# KiCad board pandore.kicad_pcb (continued)
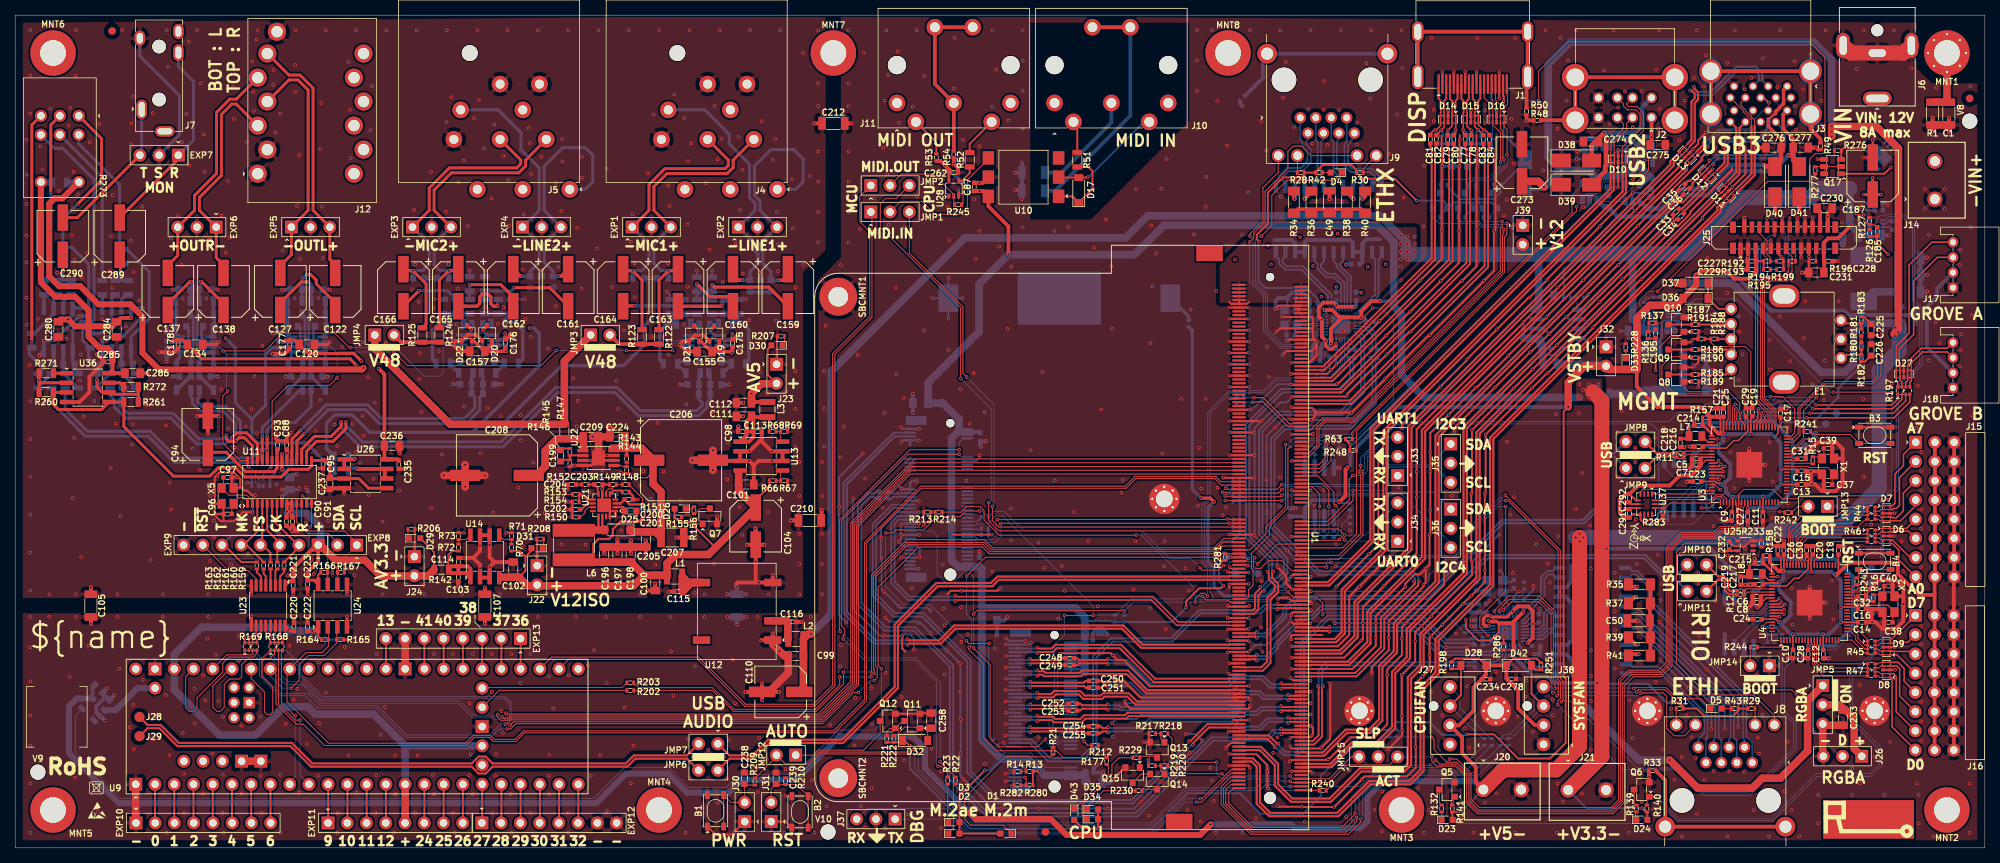
[diagram p0: board, top side]
## Footprints (pads in the part's own frame, mm; a bottom-side part is the same pattern mirrored in y, then rotated) (continued)
NGFF_M.2_CONN#2
  rrect 1.2x1 smd: (-10.35,2.1) (-10.35,3.85) (10.35,2.1) (10.35,3.85)
  rrect 1.2x2.75 smd: (-10.35,2.975) (10.35,2.975)
  round 1.1 hole 1.1 unplated: (-10,-1.525)
  round 1.6 hole 1.6 unplated: (10,-1.525)
  rrect 0.3x1.8 smd: 1(-9.25,3.65) 2(-9,-3.65) 3(-8.75,3.65) 4(-8.5,-3.65) 5(-8.25,3.65) 6(-8,-3.65) 7(-7.75,3.65) 8(-7.5,-3.65) 9(-7.25,3.65) 10(-7,-3.65) 11(-6.75,3.65) 12(-6.5,-3.65) 13(-6.25,3.65) 14(-6,-3.65) 15(-5.75,3.65) 16(-5.5,-3.65) 17(-5.25,3.65) 18(-5,-3.65) 19(-4.75,3.65) 20(-4.5,-3.65) 21(-4.25,3.65) 22(-4,-3.65) 23(-3.75,3.65) 24(-3.5,-3.65) 25(-3.25,3.65) 26(-3,-3.65) 27(-2.75,3.65) 28(-2.5,-3.65) 29(-2.25,3.65) 30(-2,-3.65) 31(-1.75,3.65) 32(-1.5,-3.65) 33(-1.25,3.65) 34(-1,-3.65) 35(-0.75,3.65) 36(-0.5,-3.65) 37(-0.25,3.65) 38(0,-3.65) 39(0.25,3.65) 40(0.5,-3.65) 41(0.75,3.65) 42(1,-3.65) 43(1.25,3.65) 44(1.5,-3.65) 45(1.75,3.65) 46(2,-3.65) 47(2.25,3.65) 48(2.5,-3.65) 49(2.75,3.65) 50(3,-3.65) 51(3.25,3.65) 52(3.5,-3.65) 53(3.75,3.65) 54(4,-3.65) 55(4.25,3.65) 56(4.5,-3.65) 57(4.75,3.65) 58(5,-3.65) 67(7.25,3.65) 68(7.5,-3.65) 69(7.75,3.65) 70(8,-3.65) 71(8.25,3.65) 72(8.5,-3.65) 73(8.75,3.65) 74(9,-3.65) 75(9.25,3.65)
OSCCC320X250X90
  rrect 1.1x1.3 smd: 1(-0.8,1.05) 2(-0.8,-1.05) 3(0.8,-1.05) 4(0.8,1.05)
QFN40P400X400-33
  rrect 1x1 smd: (-0.725,-0.725) (-0.725,0.725) (0.725,-0.725) (0.725,0.725)
  rrect 0.5x0.2 smd: 1(-1.9,1.4) 2(-1.9,1) 3(-1.9,0.6) 4(-1.9,0.2) 5(-1.9,-0.2) 6(-1.9,-0.6) 7(-1.9,-1) 8(-1.9,-1.4) 17(1.9,-1.4) 18(1.9,-1) 19(1.9,-0.6) 20(1.9,-0.2) 21(1.9,0.2) 22(1.9,0.6) 23(1.9,1) 24(1.9,1.4)
  rrect 0.2x0.5 smd: 9(-1.4,-1.9) 10(-1,-1.9) 11(-0.6,-1.9) 12(-0.2,-1.9) 13(0.2,-1.9) 14(0.6,-1.9) 15(1,-1.9) 16(1.4,-1.9) 25(1.4,1.9) 26(1,1.9) 27(0.6,1.9) 28(0.2,1.9) 29(-0.2,1.9) 30(-0.6,1.9) 31(-1,1.9) 32(-1.4,1.9)
  rrect 2.5x2.5 smd: 33(0,0)
QFN40P1000X1000-81
  rrect 0.91x0.91 smd: (-1.21,1.21) (-1.21,0) (-1.21,-1.21) (0,1.21) (0,0) (0,-1.21) (1.21,1.21) (1.21,0) (1.21,-1.21)
  rrect 0.8x0.2 smd: 1(-4.95,3.8) 2(-4.95,3.4) 3(-4.95,3) 4(-4.95,2.6) 5(-4.95,2.2) 6(-4.95,1.8) 7(-4.95,1.4) 8(-4.95,1) 9(-4.95,0.6) 10(-4.95,0.2) 11(-4.95,-0.2) 12(-4.95,-0.6) 13(-4.95,-1) 14(-4.95,-1.4) 15(-4.95,-1.8) 16(-4.95,-2.2) 17(-4.95,-2.6) 18(-4.95,-3) 19(-4.95,-3.4) 20(-4.95,-3.8) 41(4.95,-3.8) 42(4.95,-3.4) 43(4.95,-3) 44(4.95,-2.6) 45(4.95,-2.2) 46(4.95,-1.8) 47(4.95,-1.4) 48(4.95,-1) 49(4.95,-0.6) 50(4.95,-0.2) 51(4.95,0.2) 52(4.95,0.6) 53(4.95,1) 54(4.95,1.4) 55(4.95,1.8) 56(4.95,2.2) 57(4.95,2.6) 58(4.95,3) 59(4.95,3.4) 60(4.95,3.8)
  rrect 0.2x0.8 smd: 21(-3.8,-4.95) 22(-3.4,-4.95) 23(-3,-4.95) 24(-2.6,-4.95) 25(-2.2,-4.95) 26(-1.8,-4.95) 27(-1.4,-4.95) 28(-1,-4.95) 29(-0.6,-4.95) 30(-0.2,-4.95) 31(0.2,-4.95) 32(0.6,-4.95) 33(1,-4.95) 34(1.4,-4.95) 35(1.8,-4.95) 36(2.2,-4.95) 37(2.6,-4.95) 38(3,-4.95) 39(3.4,-4.95) 40(3.8,-4.95) 61(3.8,4.95) 62(3.4,4.95) 63(3,4.95) 64(2.6,4.95) 65(2.2,4.95) 66(1.8,4.95) 67(1.4,4.95) 68(1,4.95) 69(0.6,4.95) 70(0.2,4.95) 71(-0.2,4.95) 72(-0.6,4.95) 73(-1,4.95) 74(-1.4,4.95) 75(-1.8,4.95) 76(-2.2,4.95) 77(-2.6,4.95) 78(-3,4.95) 79(-3.4,4.95) 80(-3.8,4.95)
  rrect 3.4x3.4 smd: 81(0,0)
QFN50P250X300-14
  rrect 0.75x0.25 smd: 1(-1.35,0.75) 2(-1.35,0.25) 3(-1.35,-0.25) 4(-1.35,-0.75) 8(1.35,-0.75) 9(1.35,-0.25) 10(1.35,0.25) 11(1.35,0.75)
  rrect 0.25x0.75 smd: 5(-0.5,-1.1) 6(0,-1.1) 7(0.5,-1.1) 12(0.5,1.1) 13(0,1.1) 14(-0.5,1.1)
QFN50P300X300-17
  rrect 0.73x0.73 smd: (-0.5,0.5) (-0.5,-0.5) (0.5,0.5) (0.5,-0.5)
  rrect 0.75x0.3 smd: 1(-1.475,0.75) 2(-1.475,0.25) 3(-1.475,-0.25) 4(-1.475,-0.75) 9(1.475,-0.75) 10(1.475,-0.25) 11(1.475,0.25) 12(1.475,0.75)
  rrect 0.3x0.75 smd: 5(-0.75,-1.475) 6(-0.25,-1.475) 7(0.25,-1.475) 8(0.75,-1.475) 13(0.75,1.475) 14(0.25,1.475) 15(-0.25,1.475) 16(-0.75,1.475)
  rrect 1.8x1.8 smd: 17(0,0)
RESC1005
  rrect 0.4x0.6 smd: 1(-0.45,0) 2(0.45,0)
RESC2012
  rrect 0.7x1.3 smd: 1(-0.95,0) 2(0.95,0)
RESC3216
  rrect 1x1.7 smd: 1(-1.5,0) 2(1.5,0)
RESCAXSR50P200X100X35-8
  rrect 0.5x0.4 smd: 1(-0.5,0.8) 4(-0.5,-0.8) 5(0.5,-0.8) 8(0.5,0.8)
  rrect 0.5x0.3 smd: 2(-0.5,0.25) 3(-0.5,-0.25) 6(0.5,-0.25) 7(0.5,0.25)
RESCAXSR65P100X100X35-4
  rrect 0.5x0.4 smd: 1(-0.45,0.3) 2(-0.45,-0.3) 3(0.45,-0.3) 4(0.45,0.3)
RESMELF0204
  rrect 1.2x1.6 smd: 1(-1.45,0) 2(1.45,0)
samesky_CPG-23
  round 1.35 smd: 1(0,0)
samesky_PJ-063BH
  round 1.6 hole 1.6 unplated: (0,0)
  oval 3.8x1.8 hole 3x1: 1(0,-9)
  oval 3.2x1.8 hole 2.3x1: 2(0,-3)
  oval 1.8x3.3 hole 1x2.5: S(-4.5,-2) S(4.5,-2)
samesky_SDS-50J
  round 2.4 hole 2.4 unplated: (0.4,7.5) (0.4,-7.5)
  round 2.2 hole 1.3: 1(-4.6,7.5) 2(-4.6,0) 3(-4.6,-7.5) 4(-7.1,5) 5(-7.1,-5) G(5.4,2.5) G(5.4,-2.5)
samesky_SJ3-3508x
  round 1.8 hole 1.8 unplated: (0,3.85) (0,-3.15)
  oval 1.4x2.2 hole 0.8x1.6: R(2.55,3.05)
  oval 1.4x2 hole 0.8x1.4: RS(2.55,5.85) S(-2.55,4.95)
  oval 1.4x2.6 hole 0.8x2: T(-2.3,-4.45)
  oval 2.6x1.4 hole 2x0.8: TS(0.75,-7.35)
sod-123
  rrect 0.9x1.2 smd: 1(-1.65,0) 2(1.65,0)
SOIC127P600X150-8
  rrect 1.8x0.6 smd: 1(-2.8,1.905) 2(-2.8,0.635) 3(-2.8,-0.635) 4(-2.8,-1.905) 5(2.8,-1.905) 6(2.8,-0.635) 7(2.8,0.635) 8(2.8,1.905)
SOIC127PxxxX200-8
  rrect 2.2x0.6 smd: 1(-3.3,1.9) 2(-3.3,0.635) 3(-3.3,-0.64) 4(-3.3,-1.91) 5(3.3,-1.905) 6(3.3,-0.635) 7(3.3,0.635) 8(3.3,1.905)
SOIC254P1030X430-6
  rrect 1.52x1.78 smd: 1(-4.635,2.54) 2(-4.635,0) 3(-4.635,-2.54) 4(4.635,-2.54) 5(4.635,0) 6(4.635,2.54)
SOP65P490X300-8
  rrect 1.5x0.45 smd: 1(-2.06,0.975) 2(-2.06,0.325) 3(-2.06,-0.325) 4(-2.06,-0.975) 5(2.05,-0.98) 6(2.05,-0.32) 7(2.05,0.33) 8(2.05,0.98)
SOP65P490X300-9
  rrect 0.65x0.8 smd: (-0.525,0.6) (-0.525,-0.6) (0.525,0.6) (0.525,-0.6)
  rrect 1.5x0.45 smd: 1(-2.06,0.975) 2(-2.06,0.325) 3(-2.06,-0.325) 4(-2.06,-0.975) 5(2.05,-0.98) 6(2.05,-0.32) 7(2.05,0.33) 8(2.05,0.98)
  rrect 1.7x2 smd: 9(0,0)
SOP65P640X970-28
  rrect 1.1x0.4 smd: 1(-2.85,4.225) 2(-2.85,3.575) 3(-2.85,2.925) 4(-2.85,2.275) 5(-2.85,1.625) 6(-2.85,0.975) 7(-2.85,0.325) 8(-2.85,-0.325) 9(-2.85,-0.975) 10(-2.85,-1.625) 11(-2.85,-2.275) 12(-2.85,-2.925) 13(-2.85,-3.575) 14(-2.85,-4.225) 15(2.85,-4.225) 16(2.85,-3.575) 17(2.85,-2.925) 18(2.85,-2.275) 19(2.85,-1.625) 20(2.85,-0.975) 21(2.85,-0.325) 22(2.85,0.325) 23(2.85,0.975) 24(2.85,1.625) 25(2.85,2.275) 26(2.85,2.925) 27(2.85,3.575) 28(2.85,4.225)
SOP635P600X490-16
  rrect 1.6x0.41 smd: 1(-2.654,2.223) 2(-2.654,1.587) 3(-2.654,0.953) 4(-2.654,0.318) 5(-2.654,-0.318) 6(-2.654,-0.953) 7(-2.654,-1.587) 8(-2.654,-2.223) 9(2.654,-2.223) 10(2.654,-1.587) 11(2.654,-0.953) 12(2.654,-0.318) 13(2.654,0.318) 14(2.654,0.953) 15(2.654,1.587) 16(2.654,2.223)
SOT65P210X90-3
  rrect 0.7x0.45 smd: 1(-1,0.65) 2(-1,-0.65) 3(1,0)
SOT65P210X90-5
  rrect 0.7x0.4 smd: 1(-1,0.65) 2(-1,0) 3(-1,-0.65) 4(1,-0.65) 5(1,0.65)
SOT95P280X100-3
  rrect 0.9x0.8 smd: 1(-1,0.95) 2(-1,-0.95) 3(1,0)
SOT95P280X100-5
  rrect 1.06x0.65 smd: 1(-1.1,0.95) 2(-1.1,0) 3(-1.1,-0.95) 4(1.1,-0.95) 5(1.1,0.95)
SOT95P280X100-6
  rrect 1.06x0.65 smd: 1(-1.1,0.95) 2(-1.1,0) 3(-1.1,-0.95) 4(1.1,-0.95) 5(1.1,0) 6(1.1,0.95)
spacer_M2
  round 5 hole 2.6: 1(0,0)
spacer_M2#2
  round 5 hole 2.6 unplated: (0,0)
tact_460X320X250
  rrect 1.05x0.65 smd: 1(-2.075,1.075) 2(2.075,1.075) 3(-2.075,-1.075) 4(2.075,-1.075)
te_1747981-1
  oval 3.3x1.5 hole 2.7x0.9: 0(-3.95,7.25) 0(-3.95,-7.25)
  oval 2.7x1.5 hole 2.1x0.9: 0(2.01,7.25) 0(2.01,-7.25)
  rrect 2.6x0.3 smd: 1(-4.9,4.5) 2(-4.9,4) 3(-4.9,3.5) 4(-4.9,3) 5(-4.9,2.5) 6(-4.9,2) 7(-4.9,1.5) 8(-4.9,1) 9(-4.9,0.5) 10(-4.9,0) 11(-4.9,-0.5) 12(-4.9,-1) 13(-4.9,-1.5) 14(-4.9,-2) 15(-4.9,-2.5) 16(-4.9,-3) 17(-4.9,-3.5) 18(-4.9,-4) 19(-4.9,-4.5)
te_2041145-4
  round 1.4 hole 0.8: 1(-3.03,3) 2(-3.03,1) 3(-3.03,-1) 4(-3.03,-3)
teensy_4.1
  rrect 1.7x1.7 hole 1: 1(-29.21,-7.62)
  round 1.7 hole 1: 2(-26.67,-7.62) 3(-24.13,-7.62) 4(-21.59,-7.62) 5(-19.05,-7.62) 6(-16.51,-7.62) 7(-13.97,-7.62) 8(-11.43,-7.62) 9(-8.89,-7.62) 10(-6.35,-7.62) 11(-3.81,-7.62) 12(-1.27,-7.62) 13(1.27,-7.62) 14(3.81,-7.62) 15(6.35,-7.62) 16(8.89,-7.62) 17(11.43,-7.62) 18(13.97,-7.62) 19(16.51,-7.62) 20(19.05,-7.62) 21(21.59,-7.62) 22(24.13,-7.62) 23(26.67,-7.62) 24(29.21,-7.62) 25(29.21,7.62) 26(26.67,7.62) 27(24.13,7.62) 28(21.59,7.62) 29(19.05,7.62) 30(16.51,7.62) 31(13.97,7.62) 32(11.43,7.62) 33(8.89,7.62) 35(3.81,7.62) 36(1.27,7.62) 37(-1.27,7.62) 38(-3.81,7.62) 39(-6.35,7.62) 40(-8.89,7.62) 41(-11.43,7.62) 42(-13.97,7.62) 43(-16.51,7.62) 44(-19.05,7.62) 45(-21.59,7.62) 46(-24.13,7.62) 48(-29.21,7.62) 49(16.51,-5.08) 50(16.51,-2.54) 52(16.51,2.54) 53(16.51,5.08) 54(-22.86,-4.57) 55(-20.32,-4.57) 56(-17.78,-4.57) 59(-26.67,5.08)
  rect 1.7x1.7 hole 1: 34(6.35,7.62) 47(-26.67,7.62) 51(16.51,0) 57(-15.24,-4.57) 58(-12.7,-4.57)
  round 1.5 hole 0.9: 60(-16.24,5.17) 61(-14.24,5.17) 62(-16.24,3.17) 64(-16.24,1.17) 65(-14.24,1.17)
  rect 1.5x1.5 hole 0.9: 63(-14.24,3.17)
tp_solder
  round 1 smd: 1(0,0)
USB2_A_RCPT_HORZ_2STACKED
  round 1.4 hole 0.92: 1(-3.5,5.33) 2(-1,5.33) 3(1,5.33) 4(3.5,5.33) 5(-3.5,2.71) 6(-1,2.71) 7(1,2.71) 8(3.5,2.71)
  round 3.5 hole 2.3: 9(-6.57,5.68) 9(-6.57,0) 9(6.57,5.68) 9(6.57,0)
USB3_A_RCPT_HORZ_2STACKED
  round 1.1 hole 0.7: 1(-3.5,2) 2(-1,2) 3(1,2) 4(3.5,2) 5(4,3.5) 6(2,3.5) 7(0,3.5) 8(-2,3.5) 9(-4,3.5) 10(-3.5,5.2) 11(-1,5.2) 12(1,5.2) 13(3.5,5.2) 14(4,6.7) 15(2,6.7) 16(0,6.7) 17(-2,6.7) 18(-4,6.7)
  round 3 hole 2.3: 19(-6.575,5.675) 19(-6.575,0) 19(6.575,5.675) 19(6.575,0)
WE_749020111A
  rect 1.6x0.559 smd: 1(-4.318,6.985) 2(-4.318,5.715) 3(-4.318,4.445) 4(-4.318,3.175) 5(-4.318,1.905) 6(-4.318,0.635) 7(-4.318,-0.635) 8(-4.318,-1.905) 9(-4.318,-3.175) 10(-4.318,-4.445) 11(-4.318,-5.715) 12(-4.318,-6.985) 13(4.318,-6.985) 14(4.318,-5.715) 15(4.318,-4.445) 16(4.318,-3.175) 17(4.445,-1.905) 18(4.445,-0.635) 19(4.445,0.635) 20(4.445,1.905) 21(4.445,3.175) 22(4.445,4.445) 23(4.445,5.715) 24(4.445,6.985)
WE_IND5030
  rrect 1.7x1.5 smd: (-1.95,2.05) (-1.95,0) (-1.95,-2.05) (1.95,2.05) (1.95,0) (1.95,-2.05)
  rrect 1.7x5.6 smd: 1(-1.95,0) 2(1.95,0)
Wurth_691137710002
  round 2 hole 1.3: 1(-2.5,0) 2(2.5,0)

## Nets
AV3P3: C90.2 C91.2 C92.2 C221.2 C223.2 D29.A EXP9.1 J24.2 R64.1 R142.2 R166.1 R167.1 U11.9 U11.10 U23.1 U24.8
AV5: C88.2 C89.2 C112.2 C119.2 C120.2 C133.2 C134.2 C140.2 C155.2 C156.2 C157.2 C175.2 C176.2 C177.2 C178.2 C235.2 C236.2 D19.2 D20.2 D21.2 D22.2 D30.A J23.2 L3.2 R106.1 R108.1 R273.7 R275.2 U11.20 U15.3 U16.3 U17.3 U18.3 U26.8
AVSS: C88.1 C89.1 C90.1 C91.1 C92.1 C93.1 C94.2 C95.1 C96.1 C97.1 C98.1 C100.1 C101.1 C102.1 C103.1 C104.2 C105.1 C106.1 C107.1 C108.1 C109.1 C111.1 C112.1 C113.1 C114.1 C115.1 C117.1 C118.2 C119.1 C120.1 C121.1 C125.1 C126.2 C128.2 C129.1 C130.1 C133.1 C134.1 C135.2 C136.1 C139.2 C140.1 C141.1 C144.2 C145.1 C146.2 C147.1 C148.1 C151.2 C152.1 C155.1 C156.1 C157.1 C158.1 C169.1 C171.1 C175.1 C176.1 C177.1 C178.1 C196.1 C197.1 C198.1 C200.1 C201.1 C202.1 C203.1 C204.1 C205.1 C206.2 C207.1 C208.2 C209.1 C210.1 C211.1 C212.1 C213.1 C221.1 C223.1 C224.1 C235.1 C236.1 C237.1 C279.1 C280.1 C283.1 C284.1 C285.1 C286.1 D19.1 D20.1 D21.1 D22.1 EXP1.2 EXP2.2 EXP3.2 EXP4.2 EXP5.2 EXP6.2 EXP7.2 EXP9.8 J4.1 J4.G J4.S J5.1 J5.G J5.S J7.S J12.G J12.TB J12.TT J22.1 J23.1 J24.1 Q7.2 R65.2 R67.2 R69.2 R71.2 R73.2 R107.2 R109.2 R114.1 R115.1 R116.1 R117.1 R118.1 R119.1 R120.1 R121.1 R144.2 R146.2 R149.2 R150.2 R151.2 R154.2 R206.1 R207.1 R208.1 U11.8 U11.21 U12.7 U13.2 U13.3 U13.6 U13.7 U14.2 U14.3 U14.6 U14.7 U15.6 U16.6 U17.6 U18.6 U21.1 U21.7 U21.16 U21.17 U22.3 U22.4 U22.6 U22.7 U22.9 U23.8 U24.5 U26.4 U34.4 U35.4 U36.4 X5.2 X5.4
V3P3: C4.2 C6.2 C8.2 C10.2 C12.2 C14.2 C16.2 C18.2 C20.2 C22.2 C24.2 C26.2 C67.2 C68.2 C69.2 C70.2 C71.2 C72.2 C87.2 C217.2 C240.2 C241.2 C242.2 C243.2 C244.2 C245.2 C246.2 C247.2 C262.2 D1.A D2.A D3.A D24.A J13.2 J13.4 J13.12 J13.14 J13.16 J13.18 J13.70 J13.72 J13.74 J15.2 J15.5 J15.8 J15.11 J15.14 J15.17 J15.20 J15.23 J16.2 J16.5 J16.8 J16.11 J16.14 J16.17 J16.20 J16.23 J19.2 J19.4 J19.72 J19.74 J21.1 Q2.1 Q3.1 Q4.1 R13.1 R17.1 R18.1 R19.2 R20.2 R28.1 R29.1 R30.1 R31.1 R42.2 R43.2 R53.2 R57.1 R59.1 R61.1 R63.2 R138.2 R140.1 R158.2 R172.1 R173.1 R174.1 R175.1 R178.1 R179.1 R215.1 R216.1 R232.2 R248.1 R280.1 R281.2 U4.5 U4.15 U4.24 U4.29 U4.41 U4.50 U4.59 U4.60 U4.64 U4.68 U4.69 U4.76 U6.8 U7.11 U7.23 U7.32 U8.11 U8.23 U8.32 U10.6 U28.5
V3P3AUD: C220.2 C222.2 EXP11.5 R164.1 R165.1 U9.15 U9.46 U9.50 U23.16 U24.1
V5: C232.2 C234.2 C264.2 C265.2 C267.2 C269.2 C271.2 C273.1 C278.2 D18.2 D23.A D28.1 D37.2 D42.1 J20.1 J27.2 J38.2 JMP5.1 R131.2 R141.1 R198.1 R251.1 U25.5 U29.5 U30.5 U31.5 U32.5 U33.5
V12: C99.2 C110.1 C186.2 C187.1 C188.2 C228.2 C231.2 C259.2 J25.23 J39.2 L2.1 Q16.1 Q16.2 Q16.3 Q17.4 R129.1 R133.1 R223.1 U1.250 U1.251 U1.252 U1.253 U1.254 U1.255 U1.256 U1.257 U1.258 U1.259 U1.260 U19.1 U20.1 U27.4
V12ISO: C100.2 C101.2 C102.2 C104.1 C196.2 C197.2 C198.2 C200.2 D26.A D31.A J22.2 L1.2 L6.1 R66.1 R70.1 R148.1 R155.1 U13.4 U14.4 U21.3
V50: C205.2 C206.1 C207.2 C224.2 D25.1 R143.1 R153.1 U22.8
VSS: B1.1 B1.2 B2.1 B2.2 B3.1 B3.2 B4.1 B4.2 BAT1.2 C1.1 C2.1 C3.1 C4.1 C5.1 C6.1 C7.1 C8.1 C9.1 C10.1 C11.1 C12.1 C13.1 C14.1 C15.1 C16.1 C17.1 C18.1 C19.1 C20.1 C21.1 C22.1 C23.1 C24.1 C25.1 C26.1 C27.1 C28.1 C29.1 C30.1 C31.1 C32.1 C37.1 C38.1 C39.1 C40.1 C49.1 C50.1 C51.1 C52.1 C53.1 C54.1 C55.1 C56.1 C57.1 C58.1 C59.1 C60.1 C61.1 C62.1 C63.1 C64.1 C65.1 C66.1 C67.1 C68.1 C69.1 C70.1 C71.1 C72.1 C73.1 C74.1 C75.1 C76.1 C85.2 C86.2 C87.1 C99.1 C105.2 C106.2 C107.2 C108.2 C109.2 C110.2 C116.1 C180.1 C181.1 C182.1 C183.1 C184.1 C186.1 C187.2 C188.1 C190.1 C191.1 C192.1 C193.1 C194.1 C210.2 C211.2 C212.2 C213.2 C214.1 C215.1 C216.1 C217.1 C218.1 C219.1 C220.1 C222.1 C225.2 C226.2 C227.1 C228.1 C229.1 C230.1 C231.1 C232.1 C233.1 C234.1 C238.1 C239.1 C240.1 C241.1 C242.1 C243.1 C244.1 C245.1 C246.1 C247.1 C258.1 C259.1 C260.1 C261.1 C262.1 C263.1 C264.1 C265.1 C266.1 C267.1 C268.1 C269.1 C270.1 C271.1 C272.1 C273.2 C274.1 C275.1 C276.1 C277.1 C278.1 C291.1 C292.1 D6.3 D7.3 D8.3 D9.3 D10.3 D11.3 D12.3 D13.3 D14.3 D15.3 D16.3 D27.3 D38.1 D39.1 D40.1 D41.1 E1.C EXP10.1 EXP12.7 EXP12.8 EXP13.7 J1.2 J1.5 J1.8 J1.11 J1.17 J2.4 J2.8 J3.4 J3.7 J3.13 J3.16 J6.2 J6.S J13.1 J13.3 J13.9 J13.15 J13.21 J13.27 J13.32 J13.33 J13.38 J13.39 J13.45 J13.51 J13.57 J13.71 J13.75 J14.1 J15.3 J15.6 J15.9 J15.12 J15.15 J15.18 J15.21 J15.24 J16.3 J16.6 J16.9 J16.12 J16.15 J16.18 J16.21 J16.24 J17.4 J18.4 J19.1 J19.7 J19.18 J19.33 J19.39 J19.45 J19.51 J19.57 J19.63 J19.69 J19.75 J20.2 J21.2 J25.1 J25.2 J25.3 J25.11 J25.12 J25.16 J25.17 J25.18 J25.19 J25.20 J25.24 J26.3 J27.1 J30.1 J31.1 J32.1 J33.2 J34.2 J35.2 J36.2 J37.2 J38.1 J39.1 JMP5.3 JMP13.1 JMP14.1 M2AE30.1 M2M42.1 M2M60.1 M2M80.1 M2M110.1 Q1.2 Q5.2 Q6.2 Q8.2 Q9.2 Q10.2 Q11.2 Q12.2 Q13.2 Q15.2 R1.2 R10.2 R14.2 R26.1 R27.1 R32.1 R33.1 R48.1 R49.1 R50.1 R54.1 R127.2 R130.2 R134.2 R137.2 R184.2 R189.2 R190.2 R191.2 R194.1 R195.1 R196.1 R211.2 R212.2 R213.2 R217.2 R219.2 R224.2 R226.2 R228.1 R233.2 R247.2 R276.2 R277.2 R282.1 R285.2 R286.2 SBCMNT1.1 TP7.1 TP8.1 U1.11 U1.14 U1.17 U1.20 U1.23 U1.26 U1.29 U1.32 U1.35 U1.38 U1.41 U1.44 U1.47 U1.50 U1.53 U1.56 U1.59 U1.62 U1.65 U1.68 U1.71 U1.74 U1.77 U1.80 U1.83 U1.86 U1.89 U1.92 U1.95 U1.98 U1.101 U1.107 U1.110 U1.113 U1.116 U1.135 U1.136 U1.151 U1.158 U1.167 U1.170 U1.181 U1.182 U1.188 U1.189 U1.194 U1.195 U1.200 U1.201 U1.206 U1.207 U1.212 U1.213 U1.218 U1.219 U1.224 U1.225 U1.230 U1.231 U1.236 U1.237 U1.242 U1.243 U1.248 U1.249 U2.4 U3.62 U3.81 U4.62 U4.81 U5.4 U6.4 U7.33 U8.33 U9.1 U9.34 U9.47 U9.51 U9.57 U9.58 U9.63 U10.5 U12.1 U19.8 U20.8 U23.9 U24.4 U25.3 U27.2 U27.3 U27.6 U27.7 U28.3 U29.2 U30.2 U31.2 U32.2 U33.2 U37.6 U37.7 X1.2 X1.4 X2.2 X2.4 X3.2 X3.4 X4.2 X4.4
/Audio/_USB.D+: J29.1 JMP6.2
/Audio/_USB.D-: J28.1 JMP7.2
/Audio/Audio inputs/_LINE1IN.SIG+: C159.1 C172.2 EXP2.3 J4.T
/Audio/Audio inputs/_LINE1IN.SIG-: C160.1 C170.2 EXP2.1 J4.R
/Audio/Audio inputs/_LINE2IN.SIG+: C161.1 C168.2 EXP4.3 J5.T
/Audio/Audio inputs/_LINE2IN.SIG-: C162.1 C167.2 EXP4.1 J5.R
/Audio/Audio inputs/_MIC1IN.SIG+: C139.1 C163.1 EXP1.3 J4.2 R122.1
/Audio/Audio inputs/_MIC1IN.SIG-: C158.2 C164.1 EXP1.1 J4.3 R123.1
/Audio/Audio inputs/_MIC2IN.SIG+: C146.1 C165.1 EXP3.3 J5.2 R124.1
/Audio/Audio inputs/_MIC2IN.SIG-: C147.2 C166.1 EXP3.1 J5.3 R125.1
/Audio/Audio inputs/IN buffer 1/INBUF.FB+: R82.2 R94.1 R96.1 R110.2 R118.2
/Audio/Audio inputs/IN buffer 1/INBUF.FB-: R83.2 R95.1 R97.1 R111.2 R120.2
/Audio/Audio inputs/IN buffer 1/INBUF.IN+: C142.2 C173.2 D19.3 R94.2 U17.1
/Audio/Audio inputs/IN buffer 1/INBUF.IN-: C143.2 C173.1 D21.3 R95.2 U17.8
/Audio/Audio inputs/IN buffer 1/INBUF.OUT+: C142.1 R96.2 R98.1 U17.4
/Audio/Audio inputs/IN buffer 1/INBUF.OUT-: C143.1 R97.2 R99.1 U17.5
/Audio/Audio inputs/IN buffer 2/INBUF.FB+: R88.2 R100.1 R102.1 R112.2 R119.2
/Audio/Audio inputs/IN buffer 2/INBUF.FB-: R89.2 R101.1 R103.1 R113.2 R121.2
/Audio/Audio inputs/IN buffer 2/INBUF.IN+: C149.2 C174.2 D20.3 R100.2 U18.1
/Audio/Audio inputs/IN buffer 2/INBUF.IN-: C150.2 C174.1 D22.3 R101.2 U18.8
/Audio/Audio inputs/IN buffer 2/INBUF.OUT+: C149.1 R102.2 R104.1 U18.4
/Audio/Audio inputs/IN buffer 2/INBUF.OUT-: C150.1 R103.2 R105.1 U18.5
/Audio/Audio inputs/LINE1IN.SIG+: C159.2 R110.1 R114.2
/Audio/Audio inputs/LINE1IN.SIG-: C160.2 R111.1 R116.2
/Audio/Audio inputs/LINE2IN.SIG+: C161.2 R112.1 R115.2
/Audio/Audio inputs/LINE2IN.SIG-: C162.2 R113.1 R117.2
/Audio/Audio inputs/MIC1IN.SIG+: C163.2 R82.1
/Audio/Audio inputs/MIC1IN.SIG-: C164.2 R83.1
/Audio/Audio inputs/MIC2IN.SIG+: C165.2 R88.1
/Audio/Audio inputs/MIC2IN.SIG-: C166.2 R89.1
/Audio/Audio inputs/MICLINE1.SIG+: C144.1 C153.2 R98.2 U11.17
/Audio/Audio inputs/MICLINE1.SIG-: C145.2 C153.1 R99.2 U11.16
/Audio/Audio inputs/MICLINE2.SIG+: C151.1 C154.2 R104.2 U11.18
/Audio/Audio inputs/MICLINE2.SIG-: C152.2 C154.1 R105.2 U11.19
/Audio/Audio inputs/VCM: C141.2 C148.2 R204.2 U17.2 U18.2
/Audio/Audio inputs/~{MUTE}.L: R106.2 R107.1 U11.23 U15.7 U17.7
/Audio/Audio inputs/~{MUTE}.R: R108.2 R109.1 U11.28 U16.7 U18.7
/Audio/Audio outputs/LEFT.SIG+: R76.1 R255.1 U11.25
/Audio/Audio outputs/LEFT.SIG-: R77.1 R254.1 U11.24
/Audio/Audio outputs/MONL.SIG-: C290.2 EXP7.3 J7.T
/Audio/Audio outputs/MONR.SIG+: C289.2 EXP7.1 J7.R
/Audio/Audio outputs/OUT buffer L/OUT+: C122.1 C126.1 R80.2
/Audio/Audio outputs/OUT buffer L/OUT-: C125.2 C127.1 R81.2
/Audio/Audio outputs/OUT buffer L/OUTBUF.FB+: C118.1 R74.1 R76.2 R78.1
/Audio/Audio outputs/OUT buffer L/OUTBUF.FB-: C117.2 R75.1 R77.2 R79.1
/Audio/Audio outputs/OUT buffer L/OUTBUF.IN+: C123.2 R74.2 U15.1
/Audio/Audio outputs/OUT buffer L/OUTBUF.IN-: C124.2 R75.2 U15.8
/Audio/Audio outputs/OUT buffer L/OUTBUF.OUT+: C123.1 R78.2 R80.1 U15.4
/Audio/Audio outputs/OUT buffer L/OUTBUF.OUT-: C124.1 R79.2 R81.1 U15.5
/Audio/Audio outputs/OUT buffer R/OUT+: C135.1 C137.1 R92.2
/Audio/Audio outputs/OUT buffer R/OUT-: C136.2 C138.1 R93.2
/Audio/Audio outputs/OUT buffer R/OUTBUF.FB+: C128.1 R84.2 R86.1 R90.1
/Audio/Audio outputs/OUT buffer R/OUTBUF.FB-: C129.2 R85.2 R87.1 R91.1
/Audio/Audio outputs/OUT buffer R/OUTBUF.IN+: C131.2 R86.2 U16.1
/Audio/Audio outputs/OUT buffer R/OUTBUF.IN-: C132.2 R87.2 U16.8
/Audio/Audio outputs/OUT buffer R/OUTBUF.OUT+: C131.1 R90.2 R92.1 U16.4
/Audio/Audio outputs/OUT buffer R/OUTBUF.OUT-: C132.1 R91.2 R93.1 U16.5
/Audio/Audio outputs/OUT monitor/LEFT: C290.1 R262.2 R265.2 R274.2
/Audio/Audio outputs/OUT monitor/RIGHT: C289.1 R267.2 R268.2 R270.2
/Audio/Audio outputs/OUTL.SIG+: C122.2 EXP5.3 J12.SB
/Audio/Audio outputs/OUTL.SIG-: C127.2 EXP5.1 J12.RB
/Audio/Audio outputs/OUTR.SIG+: C137.2 EXP6.3 J12.ST
/Audio/Audio outputs/OUTR.SIG-: C138.2 EXP6.1 J12.RT
/Audio/Audio outputs/RIGHT.SIG+: R84.1 R257.1 U11.26
/Audio/Audio outputs/RIGHT.SIG-: R85.1 R256.1 U11.27
/Audio/Audio outputs/VCM: C121.2 C130.2 R205.2 U15.2 U16.2
/Audio/Audio outputs/VCMMON: C95.2 C237.2 R260.1 R261.1 U11.15 U26.3 U26.5 U36.3 U36.5
/Audio/AUDMST.SCL: R165.2 U1.154 U9.41 U24.3
/Audio/AUDMST.SDA: R164.2 U1.156 U9.40 U24.2
/Audio/CODEC/CTL.SCL: EXP8.1 R167.2 U11.12 U24.6
/Audio/CODEC/CTL.SDA: EXP8.2 R166.2 U11.11 U24.7
/Audio/CODEC/DATA.MCLK: EXP9.5 R162.2 U11.3
/Audio/CODEC/DATA.RXD0: EXP9.2 R159.2 U11.6
/Audio/CODEC/DATA.TXCLK: EXP9.3 R160.2 U11.5
/Audio/CODEC/DATA.TXD0: EXP9.6 R163.2 U11.7
/Audio/CODEC/DATA.TXFS: EXP9.4 R161.2 U11.4
/Audio/CPU.MCLK: R170.1 U1.160
/Audio/CPU.RXD0: R171.1 U1.168
/Audio/CPU.TXCLK: R170.2 U1.162
/Audio/CPU.TXD0: R170.4 U1.166
/Audio/CPU.TXFS: R170.3 U1.164
/Audio/CPU.~{RST}: R171.2 U1.130
/Audio/EN: R281.1 U1.126 U33.4
/Audio/GPIO0: EXP10.2 U9.2
/Audio/GPIO1: EXP10.3 U9.3
/Audio/GPIO2: EXP10.4 U9.4
/Audio/GPIO3: EXP10.5 U9.5
/Audio/GPIO4: EXP10.6 U9.6
/Audio/GPIO5: EXP10.7 U9.7
/Audio/GPIO6: EXP10.8 U9.8
/Audio/GPIO9: EXP11.1 U9.11
/Audio/GPIO10: EXP11.2 U9.12
/Audio/GPIO11: EXP11.3 U9.13
/Audio/GPIO12: EXP11.4 U9.14
/Audio/GPIO13: EXP13.8 U9.35
/Audio/GPIO24: EXP11.6 U9.16
/Audio/GPIO25: EXP11.7 U9.17
/Audio/GPIO26: EXP11.8 U9.18
/Audio/GPIO27: EXP12.1 U9.19
/Audio/GPIO28: EXP12.2 U9.20
/Audio/GPIO29: EXP12.3 U9.21
/Audio/GPIO30: EXP12.4 U9.22
/Audio/GPIO31: EXP12.5 U9.23
/Audio/GPIO32: EXP12.6 U9.24
/Audio/GPIO36: EXP13.1 U9.28
/Audio/GPIO37: EXP13.2 U9.29
/Audio/GPIO38: EXP13.3 U9.30
/Audio/GPIO39: EXP13.4 U9.31
/Audio/GPIO40: EXP13.5 U9.32
/Audio/GPIO41: EXP13.6 U9.33
/Audio/Isolation/CODEC.~{RST}: EXP9.7 U11.14 U23.7
/Audio/Isolation/MCU.MCLK: R169.4 U9.45
/Audio/Isolation/MCU.RXD0: R168.3 U9.10
/Audio/Isolation/MCU.TXCLK: R168.1 U9.43
/Audio/Isolation/MCU.TXD0: R168.4 U9.9
/Audio/Isolation/MCU.TXFS: R168.2 U9.42
/Audio/Isolation/MCU.~{RST}: R169.3 U9.44
/Audio/MIDI.RX: JMP1.1 U9.26
/Audio/MIDI.TX: JMP2.1 U9.27
/Audio/Power/REGV48.OUT: C199.2 C208.1 C209.2 R145.1 R147.1 U22.1
/Audio/USB.D+: JMP6.1 U1.112
/Audio/USB.D-: JMP7.1 U1.114
/Audio/~{PROGRAM}: R202.2 U1.132
/Audio/~{RST}: R203.2 U1.134
/Computer/AUDIO.MIDI.RX: JMP1.3 U1.140
/Computer/AUDIO.MIDI.TX: JMP2.3 U1.138
/Computer/BIOS mem/BIOS.IO0: R4.1 U1.159
/Computer/BIOS mem/BIOS.IO1: R5.1 U1.163
/Computer/BIOS mem/BIOS.IO2: R6.1 U1.161
/Computer/BIOS mem/BIOS.IO3: R7.1 U1.153
/Computer/BIOS mem/BIOS.SCK: R2.1 U1.155
/Computer/BIOS mem/BIOS.SEL: R8.2 R10.1 U1.133
/Computer/BIOS mem/BIOS.~{SS}: R3.1 R9.2 U1.165
/Computer/BIOS mem/BIOSMEM.IO0: R4.2 U2.5
/Computer/BIOS mem/BIOSMEM.IO1: R5.2 U2.2
/Computer/BIOS mem/BIOSMEM.IO2: R6.2 U2.3
/Computer/BIOS mem/BIOSMEM.IO3: R7.2 U2.7
/Computer/BIOS mem/BIOSMEM.SCK: R2.2 U2.6
/Computer/BIOS mem/BIOSMEM.~{SS}: R3.2 U2.1
/Computer/Boot control/PWRSW: JMP12.2 R209.2 R240.1 U1.1
/Computer/Boot control/RSTSW: R210.2 U1.3
/Computer/Computer module/DEBUG.RX: J37.3 U1.12
/Computer/Computer module/DEBUG.TX: J37.1 U1.10
/Computer/Computer module/FANCPU.PWM: R201.1 U1.2
/Computer/Computer module/FANCPU.TAC: R200.1 U1.4
/Computer/Computer module/GPP_F13: TP10.1 U1.124
/Computer/Computer module/GPP_F14: TP11.1 U1.122
/Computer/Computer module/GPP_F15: TP12.1 U1.120
/Computer/Computer module/GPP_F16: TP13.1 U1.118
/Computer/Computer module/I2C3.SCL: J35.3 R173.2 U1.150
/Computer/Computer module/I2C3.SDA: J35.1 R172.2 U1.152
/Computer/Computer module/I2C4.SCL: J36.3 R175.2 U1.146
/Computer/Computer module/I2C4.SDA: J36.1 R174.2 U1.148
/Computer/Computer module/SYSCPU.PWM: R250.1 U1.6
/Computer/Computer module/SYSCPU.TAC: R249.1 U1.8
/Computer/Computer module/UART0.RX: J34.1 U1.137
/Computer/Computer module/UART0.TX: J34.3 U1.139
/Computer/Computer module/UART1.RX: J33.1 U1.141
/Computer/Computer module/UART1.TX: J33.3 U1.143
/Computer/DISP.CLK+: C83.2 U1.199
/Computer/DISP.CLK-: C84.2 U1.197
/Computer/DISP.D0+: C77.2 U1.205
/Computer/DISP.D0-: C78.2 U1.203
/Computer/DISP.D1+: C79.2 U1.211
/Computer/DISP.D1-: C80.2 U1.209
/Computer/DISP.D2+: C81.2 U1.217
/Computer/DISP.D2-: C82.2 U1.215
/Computer/DISP.DDC.CLK: Q2.2 R57.2 U1.171
/Computer/DISP.DDC.DAT: Q3.2 R59.2 U1.169
/Computer/DISP.HPD: Q4.2 R61.2 U1.183
/Computer/ETHI.HSI0+: C47.2 U1.28
/Computer/ETHI.HSI0-: C48.2 U1.30
/Computer/ETHI.HSO0+: C43.2 U1.25
/Computer/ETHI.HSO0-: C44.2 U1.27
/Computer/ETHI.REFCLK+: U1.85 U8.15
/Computer/ETHI.REFCLK-: U1.87 U8.16
/Computer/ETHI.~{CLKREQ}: R286.1 U8.12
/Computer/ETHX.HSI0+: C45.2 U1.64
/Computer/ETHX.HSI0-: C46.2 U1.66
/Computer/ETHX.HSO0+: C41.2 U1.61
/Computer/ETHX.HSO0-: C42.2 U1.63
/Computer/ETHX.REFCLK+: U1.94 U7.15
/Computer/ETHX.REFCLK-: U1.96 U7.16
/Computer/ETHX.SUSCLK: R278.1 R279.1 U1.131
/Computer/ETHX.~{CLKREQ}: U1.102 U7.12
/Computer/ETHX.~{PERST}: J13.50 J19.52 R17.2 U1.105 U7.19 U8.19
/Computer/ETHX.~{WAKE}: J13.54 J19.55 R18.2 U1.103 U7.21 U8.21
/Computer/M2E.D+: J19.3 U1.76
/Computer/M2E.D-: J19.5 U1.78
/Computer/M2E.HSI0+: J19.41 U1.34
/Computer/M2E.HSI0-: J19.43 U1.36
/Computer/M2E.HSO0+: C256.2 U1.31
/Computer/M2E.HSO0-: C257.2 U1.33
/Computer/M2E.REFCLK+: J19.47 U1.88
/Computer/M2E.REFCLK-: J19.49 U1.90
/Computer/M2E.SCL: J19.60 R179.2 U1.142
/Computer/M2E.SDA: J19.58 R178.2 U1.144
/Computer/M2E.~{CLKREQ}: R214.1 U1.100
/Computer/M2M.HSI0+: J13.43 U1.40
/Computer/M2M.HSI0-: J13.41 U1.42
/Computer/M2M.HSI1+: J13.31 U1.46
/Computer/M2M.HSI1-: J13.29 U1.48
/Computer/M2M.HSI2+: J13.19 U1.52
/Computer/M2M.HSI2-: J13.17 U1.54
/Computer/M2M.HSI3+: J13.7 U1.58
/Computer/M2M.HSI3-: J13.5 U1.60
/Computer/M2M.HSO0+: C255.2 U1.37
/Computer/M2M.HSO0-: C254.2 U1.39
/Computer/M2M.HSO1+: C253.2 U1.43
/Computer/M2M.HSO1-: C252.2 U1.45
/Computer/M2M.HSO2+: C251.2 U1.49
/Computer/M2M.HSO2-: C250.2 U1.51
/Computer/M2M.HSO3+: C249.2 U1.55
/Computer/M2M.HSO3-: C248.2 U1.57
/Computer/M2M.REFCLK+: J13.55 U1.97
/Computer/M2M.REFCLK-: J13.53 U1.99
/Computer/MGMTMCU.D+: JMP9.1 U1.82
/Computer/MGMTMCU.D-: JMP8.1 U1.84
/Computer/MGMTMCU.~{RST}: R241.2 TP5.1 U1.125 U3.35
/Computer/MGMTMCU.~{USBBOOT}: R234.1 R242.2 U1.123
/Computer/MGMTMON.PWR: JMP15.2 R129.2 R130.1 R133.2 R134.1 R176.1 R246.2 R247.1 U3.7 U19.2 U20.2
/Computer/MGMTMON.PWRB: R240.2 U3.6
/Computer/MGMTMON.S0: JMP15.3 R218.1 U1.5 U3.9
/Computer/MGMTMON.S3: JMP15.1 R220.1 U1.7 U3.8
/Computer/RTIOMCU.D+: JMP11.1 U1.70
/Computer/RTIOMCU.D-: JMP10.1 U1.72
/Computer/RTIOMCU.~{RST}: R243.2 TP6.1 U1.121 U4.35
/Computer/RTIOMCU.~{USBBOOT}: R235.1 R244.2 U1.119
/Computer/USB2P3.D+: D10.2 J2.7 U1.81
/Computer/USB2P3.D-: D10.1 J2.6 U1.79
/Computer/USB2P5.D+: D10.5 J2.3 U1.111
/Computer/USB2P5.D-: D10.4 J2.2 U1.109
/Computer/USB3P2.D+: D13.5 J3.3 U1.75
/Computer/USB3P2.D-: D13.4 J3.2 U1.73
/Computer/USB3P2.SSRX+: D11.1 J3.6 U1.16
/Computer/USB3P2.SSRX-: D11.2 J3.5 U1.18
/Computer/USB3P2.SSTX+: C34.2 U1.13
/Computer/USB3P2.SSTX-: C33.2 U1.15
/Computer/USB_OC: R248.2 U1.129 U29.3 U30.3 U31.3 U32.3
/Computer/USBP1.D+: D13.2 J3.12 U1.69
/Computer/USBP1.D-: D13.1 J3.11 U1.67
/Computer/USBP1.SSRX+: D11.4 J3.15 U1.22
/Computer/USBP1.SSRX-: D11.5 J3.14 U1.24
/Computer/USBP1.SSTX+: C36.2 U1.19
/Computer/USBP1.SSTX-: C35.2 U1.21
/Computer/VUSB.EN: R63.1 U1.128 U29.4 U30.4 U31.4 U32.4
/Display/_HDMI.CLK+: C83.1 D15.2 J1.10 R56.7
/Display/_HDMI.CLK-: C84.1 D15.1 J1.12 R56.8
/Display/_HDMI.D0+: C77.1 D15.5 J1.7 R56.5
/Display/_HDMI.D0-: C78.1 D15.4 J1.9 R56.6
/Display/_HDMI.D1+: C79.1 D14.2 J1.4 R55.7
/Display/_HDMI.D1-: C80.1 D14.1 J1.6 R55.8
/Display/_HDMI.D2+: C81.1 D14.5 J1.1 R55.5
/Display/_HDMI.D2-: C82.1 D14.4 J1.3 R55.6
/External Ethernet/ETH.VCORE: C53.2 C55.2 C57.2 C59.2 C61.2 C63.2 C65.2 U7.3 U7.8 U7.22 U7.24 U7.30
/External Ethernet/ETHPCIE.RX+: C41.1 U7.13
/External Ethernet/ETHPCIE.RX-: C42.1 U7.14
/External Ethernet/ETHPCIE.TX+: C45.1 U7.17
/External Ethernet/ETHPCIE.TX-: C46.1 U7.18
/External Ethernet/MDI0+: T1.12 U7.1
/External Ethernet/MDI0-: T1.11 U7.2
/External Ethernet/MDI1+: T1.8 U7.4
/External Ethernet/MDI1-: T1.7 U7.5
/External Ethernet/MDI2+: T1.6 U7.6
/External Ethernet/MDI2-: T1.5 U7.7
/External Ethernet/MDI3+: T1.2 U7.9
/External Ethernet/MDI3-: T1.1 U7.10
/External Ethernet/PAIR0+: J9.1 T1.13
/External Ethernet/PAIR0-: J9.2 T1.14
/External Ethernet/PAIR1+: J9.3 T1.17
/External Ethernet/PAIR1-: J9.4 T1.18
/External Ethernet/PAIR2+: J9.5 T1.19
/External Ethernet/PAIR2-: J9.6 T1.20
/External Ethernet/PAIR3+: J9.7 T1.23
/External Ethernet/PAIR3-: J9.8 T1.24
/Internal Ethernet/ETH.VCORE: C54.2 C56.2 C58.2 C60.2 C62.2 C64.2 C66.2 U8.3 U8.8 U8.22 U8.24 U8.30
/Internal Ethernet/ETHPCIE.RX+: C43.1 U8.13
/Internal Ethernet/ETHPCIE.RX-: C44.1 U8.14
/Internal Ethernet/ETHPCIE.TX+: C47.1 U8.17
/Internal Ethernet/ETHPCIE.TX-: C48.1 U8.18
/Internal Ethernet/MDI0+: T2.12 U8.1
/Internal Ethernet/MDI0-: T2.11 U8.2
/Internal Ethernet/MDI1+: T2.8 U8.4
/Internal Ethernet/MDI1-: T2.7 U8.5
/Internal Ethernet/MDI2+: T2.6 U8.6
/Internal Ethernet/MDI2-: T2.5 U8.7
/Internal Ethernet/MDI3+: T2.2 U8.9
/Internal Ethernet/MDI3-: T2.1 U8.10
/Internal Ethernet/PAIR0+: J8.1 T2.13
/Internal Ethernet/PAIR0-: J8.2 T2.14
/Internal Ethernet/PAIR1+: J8.3 T2.17